# Altium PCB LimeSDR-PCIe_1v3.PcbDoc (part 3 of 10)
Units mm, origin at the board's own origin, x right, y up, seen from the top; angles counter-clockwise.
Board outline 136.85 x 68.9 mm, 12 copper layers (Top, L2, L3, L4, L5, L6, L7, L8, L9, L10, L11, Bottom), stack 1.638 mm thick; 831 components, 538 nets, 3821 pads, 1805 vias.
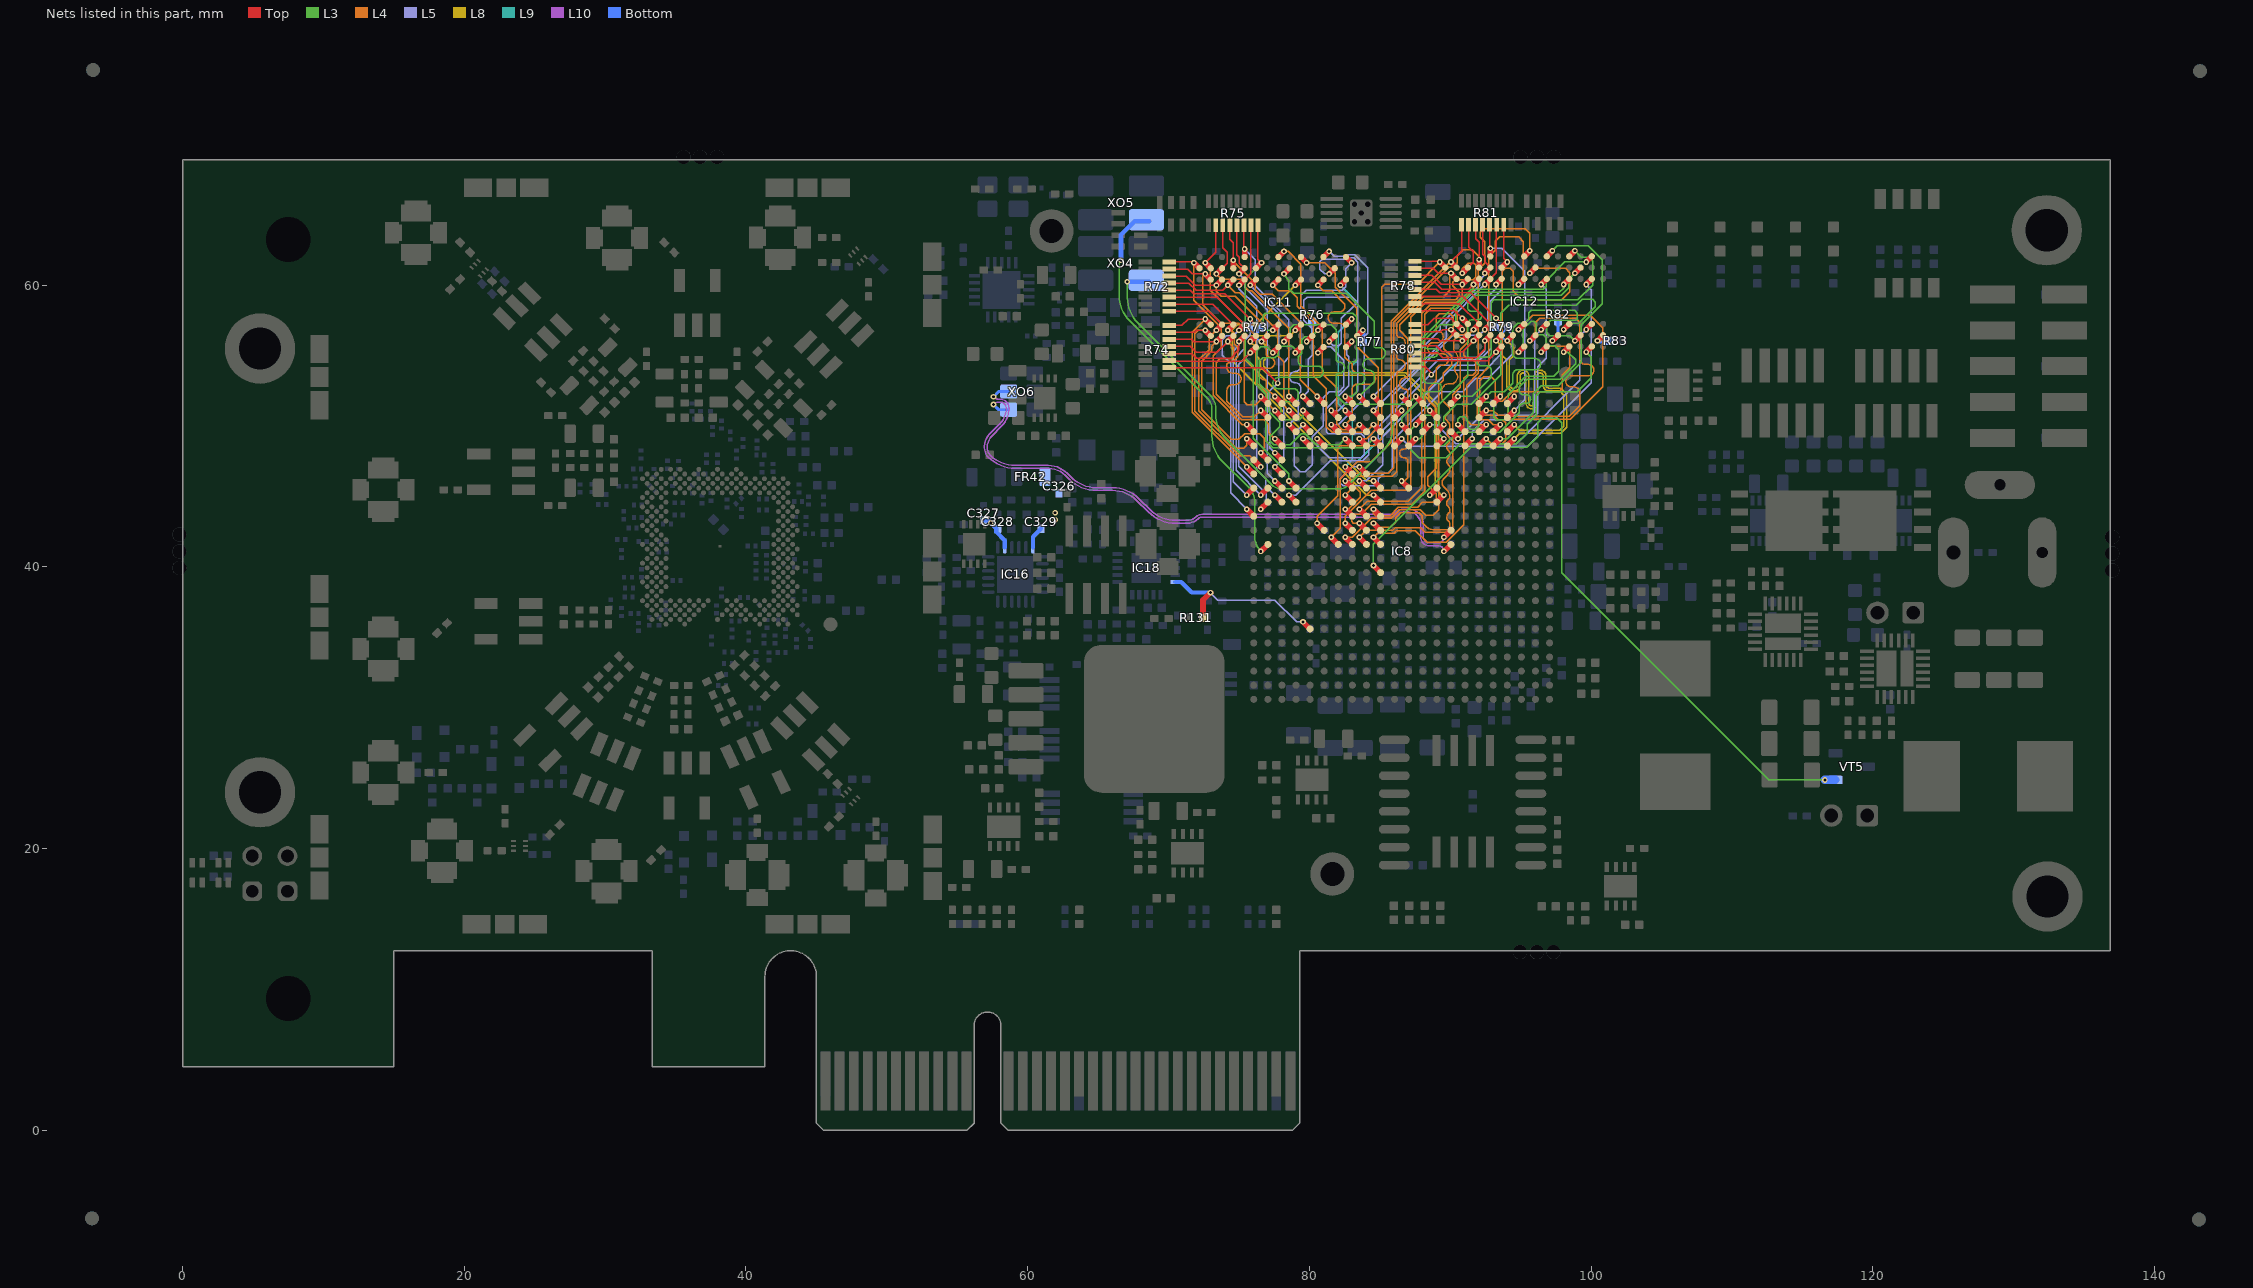
[diagram p13: the nets of this part, all layers, seen from the top]

## Footprints (in the part's own frame and the unit in brackets; to place one, negate y for a bottom-side part, rotate by r counter-clockwise, add the part's x,y. Pads: shape width x height; smd on the part's side, far side on the other; paste and mask are expansions set on the pad) (continued)
Si5351C_20QFN [mm] "QFN, 20-Leads, Body 4,00x4,00mm, Pitch 0,50mm, Thermal Pad 2,70x2,70mm, IPC Medium Density"
  rect 0.8x0.25 smd mask+0.05: 1(-1.925,1) 2(-1.925,0.5) 3(-1.925,0) 4(-1.925,-0.5) 5(-1.925,-1) 11(1.925,-1) 12(1.925,-0.5) 13(1.925,0) 14(1.925,0.5) 15(1.925,1)
  rect 0.25x0.8 smd mask+0.05: 6(-1,-1.925) 7(-0.5,-1.925) 8(0,-1.925) 9(0.5,-1.925) 10(1,-1.925) 16(1,1.925) 17(0.5,1.925) 18(0,1.925) 19(-0.5,1.925) 20(-1,1.925)
  rect 2.7x2.7 smd mask+0.05: 21(0,0)
  silkscreen extent -2.92,-2.15 2.15,2.15, body extent -2.02,-2.02 2.02,2.02, height 0.8
SKY13323-378LF [mm] "SKY13323-378LF RF switch"
  rect 0.35x0.15 smd mask+0.05: 1(-0.425,0.35) 2(-0.425,0) 3(-0.425,-0.35) 4(0.425,-0.35) 5(0.425,0) 6(0.425,0.35)
  Top region: -0.4,0.075 -0.175,0.075 -0.075,0.175 -0.075,0.6 0.075,0.6 0.075,0 -0.4,0
  Top region: -0.4,-0.075 -0.175,-0.075 -0.075,-0.175 -0.075,-0.6 0.075,-0.6 0.075,0 -0.4,0
  silkscreen extent -0.65,-0.78 0.3,0.77, body extent -0.5,-0.5 0.5,0.5, height 0.51
SOIC16_WIDE [mm] "SOIC, 1.27mm pitch, 16 pin"
  round 1 on Mech15: 0(0,0)
  oval 2.2x0.6 smd: 1(-4.85,4.445) 2(-4.85,3.175) 3(-4.85,1.905) 4(-4.85,0.635) 5(-4.85,-0.635) 6(-4.85,-1.905) 7(-4.85,-3.175) 8(-4.85,-4.445) 9(4.85,-4.445) 10(4.85,-3.175) 11(4.85,-1.905) 12(4.85,-0.635) 13(4.85,0.635) 14(4.85,1.905) 15(4.85,3.175) 16(4.85,4.445)
  silkscreen extent -5.27,-5.03 3.4,5.42
SOT23-3 [mm] "SOT23, 3 pin"
  round 0.5 on Mech14: 0(0,0)
  rrect25% 1x0.6 smd: D(1.15,0) G(-1.15,0.95) S(-1.15,-0.95)
  silkscreen extent -1.25,-1.45 0.38,1.81, body extent -1.4,-1.45 1.4,1.45, height 1.29
SOT23-3_v2 [mm] "SOT23, 3 pin"
  round 0.5 on Mech14: 0(0,0)
  rrect25% 1x0.6 smd: 1(-1.15,0.95) 2(-1.15,-0.95) 3(1.15,0)
  silkscreen extent -1.25,-1.45 0.38,1.81, body extent -1.4,-1.45 1.4,1.45, height 1.29
SPX3819R2-L/TR [mm]
  rect 0.6x0.25 smd mask+0.05: 1(-1.4,0.75) 2(-1.4,0.25) 3(-1.4,-0.25) 4(-1.4,-0.75) 5(1.4,-0.75) 6(1.4,-0.25) 7(1.4,0.25) 8(1.4,0.75)
  rect 1.6x1.5 smd: 9(0,0)
  silkscreen extent -2.22,-1.1 1.9,1.1, body extent -1.51,-1 1.51,1, height 0.75
SW_4WAY_SMD_1P27 [mm] "DIP Switch; 8 Leads, 1.27 pitch"
  rect 0.8x1.4 smd: 1(-1.905,-3.15) 2(-0.635,-3.15) 3(0.635,-3.15) 4(1.905,-3.15) 5(1.905,3.15) 6(0.635,3.15) 7(-0.635,3.15) 8(-1.905,3.15)
  silkscreen extent -2.96,-1.9 2.92,1.9, body extent -3.15,-3.54 3.16,3.44, height 1.5
SWD_10_pin [mm]
  rect 0.75x2.4 smd: 1(-2.55,-1.95) 2(-2.55,1.95) 3(-1.275,-1.95) 4(-1.275,1.95) 5(0,-1.95) 6(0,1.95) 7(1.275,-1.95) 8(1.275,1.95) 9(2.55,-1.95) 10(2.55,1.95)
  silkscreen extent -3.2,-3.4 3.2,3.4, body extent -3.17,-2.75 3.17,2.75, height 6.37
TC1-1-13MA+_v2 [mm] "Balun"
  rect 0.76x1.65 smd: 1(-1.27,1.59) 2(0,1.59) 3(1.27,1.59) 4(1.27,-1.59) 6(-1.27,-1.59)
  silkscreen extent -2,-0.6 2,3.1, body extent -1.27,-1.61 1.28,1.61, height 2.8
TCM1-63AX+_v2 [mm] "Balun"
  rect 0.76x1.65 smd: 1(-1.27,1.59) 2(0,1.59) 3(1.27,1.59) 4(1.27,-1.59) 5(0,-1.59) 6(-1.27,-1.59)
  silkscreen extent -2,-0.6 2,3.1, body extent -1.27,-1.61 1.28,1.61, height 2.8
TO-263-5_v2 [mm] "D-PAK/TO-263-5; 5 Leads; Body 14.4 (inc. leads) x 10.4 mm (LxW max)"
  round 0.5 on Mech15: 0(0,0)
  rrect25% 2.5x1.1 smd: 1(-6.05,3.41) 2(-6.05,1.705) 3(-6.05,0) 4(-6.05,-1.705) 5(-6.05,-3.41)
  rrect25% 10x10.5 smd: 3(3.05,0)
  silkscreen extent -6.4,-5.2 -2.1,5.3, body extent -6.73,-5.08 7.29,5.08, height 4.56
TP-THT-MIDI [mm] "Thru-hole test point loop"
  round 3.1 hole 1.7 slot 1.9 at 90 deg: 1(0,0)
  silkscreen extent -1.9,-1.9 1.9,1.9, body extent -1.6,-1.6 1.6,1.59, height 8.09

## Part data
C1 C2 C3 C4 C5 C6 C7 C8 C9 C10 C11 C12 C13 C14 C15 C16 C17 C18 C19 C20 C21 C22 C23 C24 C25 C26 C27 C28 C29 C30 C31 C32 C33 C34 C35 C36 C37 C38 C39 C40 C41 C42 C43 C44 C45 C46 C47 C48 C49 C50 C51 C52 C53 C54 C55 C56 C57 C58 C59 C60 C61 C62 C63 C64 C65 C66 C67 C68 C69 C70 C71 C72 C73 C74 C75 C76 C77 C78 C79 C80 C81 C82 C83 C84 C85 C86 C87 C88 C89 C90 C91 C92 C93 C94 C95 C96 C97 C98 C99 C100 C124 C125 C130 C131 C136 C137 C142 C143 C148 C149 C154 C155 C160 C161 C166 C167 C271 C272 C296 C297 C301 C307 C308 C309 C310 C311 C312 C313 C314 C315 C316 C317 C318 C319 C320 C321 C322 C323 C324 C325 C326 C327 C328 C329 C330 C331 C332 C333 C334 C336 C337 C338 C339 C340 C341 C342 C343 C344 C345 C346 C347 C348 C349 C350 C351 C352 C355 C356 C360 C362 C364 C366 C367 C373 C374 C375 C376 C377 C378 C380 C381 C382 C387 C388 C389 C390 C391 C392 C393 C394 C397 C398 C400 C401 C402 C403 C404 C408 C409 C410 C411 C412 C415 C416 MN5 MN6 MN7 MN8 MN13 MN14 MN15 MN16 MN17 MN19 MN20 MN21 MN22 MN23 MN24 MN25 MN27 MN28 MN33 MN34 MN35 MN36 MN41 MN42 MN43 MN44 MN45 MN47 MN48 MN49 MN50 MN51 MN52 MN53 MN55 MN56: library part Cap_0402
C101 C102 C103 C104 C105 C106 C107 C108 C109 C110 C111 C112 C113 C114 C115 C116 C117 C118 C119 C123 C126 C129 C132 C135 C138 C141 C144 C147 C150 C153 C156 C159 C162 C165 C168 C169 C170 C171 C172 C173 C174 C175 C176 C177 C178 C179 C180 C181 C182 C183 C184 C185 C186 C187 C188 C189 C190 C191 C192 C193 C194 C195 C196 C197 C198 C199 C200 C201 C202 C203 C204 C205 C206 C207 C208 C209 C210 C211 C212 C213 C214 C215 C216 C217 C218 C219 C220 C221 C222 C223 C224 C225 C226 C227 C228 C229 C230 C231 C232 C233 C234 C235 C236 C237 C238 C239 C240 C241 C242 C243 C244 C245 C246 C247 C248 C249 C250 C251 C252 C253 C254 C256 C257 C258 C259 C260 C261 C262 C263 C265 C266 C267 C268 C270 C273 C274 C276 C277 C278 C279 C281 C282 C283 C284 C286 C287 C288 C289 C290 C291 C292 C293 C295 C298 C299 C300 C302 C303 C304 C305 C306 C335 C353 C354 C357 C358 C359 C361 C363 C365 C368 C369 C370 C371 C372 C379 C386 C395 C396 C399 C413 C414 C417 C418 C419 C420 C421: library part Cap_0603
C120 C121 C122 C127 C128 C133 C134 C139 C140 C145 C146 C151 C152 C157 C158 C163 C164 C275 C383 C384 C385 C405 C406 C407: library part Cap_1206
C255 C264 C269 C280 C285 C294: library part 4X_cap_array_1206
FR1 FR2 FR3 FR4 FR5 FR6 FR7 FR8 FR9 FR10 FR11 FR12 FR13 FR14 FR15 FR16 FR17 FR18 FR19 FR20 FR21 FR22 FR23 FR24 FR25 FR26 FR27 FR28 FR29 FR30 FR31 FR32 FR33 FR34 FR35 FR36 FR37 FR38 FR39 FR40 FR41 FR42 FR43 FR44 FR45 FR46 FR47 FR48 FR49 FR50 FR51 FR52 FR53 FR54 FR55 FR56: library part Ferrite
IC1: library part LMS7002Mr3, "Schematic symbol revision 3. Default footprint - 0.31mm pad"
IC2 IC15: library part 24FC64F
IC4 IC5 IC6 IC7: "SKY13323-378LF: 0.1-3.0 GHz GaAs SPDT Switch"
IC9: library part W25Q32FV
IC10: library part S25FL032P
IC17: "Single 8-Bit nanoDAC with SPI Interface in LFCSP and SC70, 2.7 to 5.5 V, <100 uA, -40 to +125 degC, KS-6, Pb-Free, Reel"
IC20 IC24 IC26 IC28 IC29 IC31: library part AP7361
IC32: library part SPX3819R2-L/TR
J1 J2 J3 J4 J5 J6 J7 J8 J9 J10: library part RF_IF_connector, "CONN UMC RCPT STR 50 OHM SMD"
J11: library part JTAG_connector_10pin
J12 J13: library part "Header 5X2_SWD", "Header, 5-Pin, Dual row"
J14 J18: library part Jumper
J15 J16: library part RF_IF_connector
J17: "Power Connector, THT, 2.1mm ID, 5.5mm OD"
L1 L2 MN1 MN2 MN3 MN4 MN9 MN10 MN11 MN12 MN18 MN26 MN29 MN30 MN31 MN32 MN37 MN38 MN39 MN40 MN46 MN54: library part Inductor_0603
LED1 LED4: library part LED_green_red_SMD
LEDS1: library part LEDx2_STANDOFF
MECH1 MECH2 MECH3 MECH4 MECH5 MECH6 MECH7 MECH8 MECH9 MECH10: library part RFI_SHIELD_CLIP
MECH11 MECH12 MECH13 MECH14: library part "STANDOFF_M-F_THREADED_M3x8x10mm_HEX_5mm dia", "STANDOFF M/F MET 5MM HEX 10MM L"
R1 R2 R3 R4 R5 R6 R7 R8 R9 R10 R11 R12 R13 R14 R15 R16 R17 R18 R19 R20 R21 R22 R23 R24 R25 R26 R27 R28 R29 R30 R31 R32 R33 R34 R35 R36 R37 R38 R39 R40 R41 R42 R43 R44 R45 R46 R47 R48 R49 R50 R51 R52 R53 R54 R55 R56 R57 R58 R59 R60 R61 R62 R63 R64 R65 R66 R67 R68 R69 R70 R71 R73 R76 R77 R79 R82 R83 R84 R85 R86 R87 R88 R89 R90 R91 R92 R93 R94 R95 R96 R97 R98 R99 R100 R101 R102 R103 R104 R105 R106 R107 R108 R109 R110 R111 R112 R113 R114 R115 R116 R117 R118 R119 R120 R121 R122 R123 R124 R125 R126 R127 R128 R129 R130 R131 R132 R133 R134 R135 R136 R137 R138 R139 R140 R141 R142 R143 R144 R145 R146 R147 R148 R149 R150 R151 R152 R153 R154 R155 R156 R157 R158 R159 R160 R161 R162 R163 R164 R165 R166 R167 R168 R169 R170 R171 R172 R173 R174 R175 R176 R177 R178 R179 RA1 RA2 RA3 RA4 RA5 RA6: library part Res_0402
R72 R74 R75 R78 R80 R81: library part 8X_resistor_array_0402
SW1: library part SW_SM_4bit
T1 T3 T5 T6 T8 T10: library part Balun
T2 T4 T7 T9: library part Balun_v2
TP1 TP2: "Test Point PCB mount Miniature White"
VT1 VT2 VT3 VT4: library part BF1105R,215
VT6 VT7: library part BSC093N04LS_G
XO1: library part RPT7050A
XO2: library part TXCO
XO3: library part Rakon_RTX5032A
XO4 XO5: library part CRYSTAL, "Oscillator Crystal"
XO6: library part CRYSTAL_SG3225, "Oscillator Crystal"
XT1: library part CRYSTAL_19M2, "Oscillator Crystal 25 MHz"

## Free pads (board coordinates)
  round 1 hole 1: 2(-0.225,42.3) 2(37.95,69.1) 2(94.95,12.65) 2(97.35,69.1) 2(137,39.75) 3(-0.225,41.1) 3(36.75,69.1) 3(96.15,12.65) 3(96.15,69.1) 3(137,40.95) 4(-0.225,39.925) 4(35.575,69.1) 4(94.975,69.1) 4(97.325,12.65) 4(137,42.125)
  round 2.88 hole 3.18 unplated: MH1(7.5,9.35) MH2(7.5,63.25)

## Via types
v1: diameter 0.4, hole 0.2, Top to Bottom, tented both sides, 1697 vias
v2: diameter 0.35, hole 0.2, Top to Bottom, tented top, 87 vias
v3: diameter 0.5, hole 0.2, Top to Bottom, tented both sides, 20 vias
v4: diameter 0.4, hole 0.2, Top to Bottom, tented top, 1 vias

## Nets (pads, with @x,y where several pads share a name; then routed paths per layer and width w, separated by ;. In a path a pad name is that pad's centre, name@x,y a point inside that pad or via, vN(x,y) a via of type N, cw(c..) or ccw(c..) an arc to the next point about the centre after c; other vN are vias at no path point)
+1.8V_DIG_LMK: C326.2 C327.2 C328.2 C329.2 FR42.2 IC16.2 IC16.6 | length 4.3
  Bottom w0.3: C327.2@56.85,43.312 C327.2@56.875,43.312 57.175,43.312 57.775,42.712 57.775,42.487 58.375,41.887 IC16.2@58.375,41.387 ; IC16.6@60.375,41.387 60.375,42.137 C329.2@60.95,42.712
  other v1: 57.375,43.125 61.95,43.35 61.95,43.85
ADF_MUXOUT: IC8.F18 IC18.15 R131.1 | length 13
  Top w0.4: R131.1@72.45,36.375 72.45,37.65 v1(72.975,38.175) ; v1(79.55,36.1) IC8.F18@80.05,35.6
  L5 w0.1: v1(72.975,38.175) 73.5,37.65 77.55,37.65 79.1,36.1 v1(79.55,36.1)
  Bottom w0.3: IC18.15@70.475,38.925 70.9,38.925 71.65,38.175 v1(72.975,38.175)
CLK50_FPGA: IC8.M21 XO5.3 | length 29.4
  Top w0.4: v1(76.55,41.1) IC8.M21@77.05,41.6
  L3 w0.1: v1(66.625,61.775) ccw(c66.927,61.473) 66.5,61.473 66.5,59.277 ccw(c69.04,59.277) 67.244,57.481 72.808,51.917 cw(c72.165,51.274) 73.074,51.274 73.074,49.303 ccw(c75.614,49.303) 73.818,47.507 75.648,45.677 cw(c74.495,44.525) 76.125,44.525 76.125,42.126 ccw(c77.576,42.126) v1(76.55,41.1)
  Bottom w0.325: v1(66.625,61.775) 66.625,63.575 67.598,64.548 XO5.3@68.626,64.548
CLK100_FPGA: IC8.AA12 XO4.3 | length 32.9
  Top w0.4: IC8.AA12@86.05,50.6 v1(86.55,51.1)
  L3 w0.1: v1(67.075,60.25) 67.075,59.122 ccw(c69.615,59.122) 67.819,57.326 72.929,52.216 cw(c71.914,51.2) 73.35,51.2 73.35,50.857 ccw(c75.89,50.857) 74.094,49.061 77.326,45.829 ccw(c78,46.504) 78,45.55 82.191,45.55 ccw(c82.191,46.284) 82.71,45.765 ; 82.71,45.765 85.338,48.393 ccw(c83.981,49.75) 85.9,49.75 cw(c87.59,49.75) 86.395,50.945 v1(86.55,51.1)
  Bottom w0.325: v1(67.075,60.25) XO4.3@68.625,60.25
CLK125_FPGA_N: IC8.N8 XO6.5 | length 43.2
  Top w0.4: v1(89.55,42.1) IC8.N8@90.05,42.6
  L10 w0.1: v1(57.575,52.075) 57.618,52.032 ccw(c57.925,52.34) 57.925,51.905 58.045,51.905 cw(c58.045,51.275) 58.675,51.275 cw(c56.845,51.275) 58.139,49.981 57.478,49.32 ccw(c58.33,48.468) 57.125,48.468 ccw(c57.893,48.468) 57.35,47.925 ccw(c59.1,49.675) 59.1,47.2 61.472,47.2 cw(c61.472,45.322) 62.8,46.65 63.081,46.369 ccw(c64.877,48.165) 64.877,45.625 66.029,45.625 cw(c66.029,42.979) 67.9,44.85 68.706,44.044 ccw(c70.502,45.84) 70.502,43.3 71.315,43.3 ccw(c71.315,44.21) 71.959,43.566 cw(c72.341,43.184) 72.341,43.725 85.753,43.725 ccw(c85.753,44.122) 86.034,43.841 cw(c86.658,43.217) 86.658,44.1 87.025,44.1 cw(c87.025,43.025) 88.1,43.025 88.1,42.1 ccw(c88.5,42.1) 88.5,41.7 89.15,41.7 ccw(c89.15,42.1) v1(89.55,42.1)
  Bottom w0.2: v1(57.575,52.075) 57.95,52.45 XO6.5@58.65,52.45
CLK125_FPGA_P: IC8.M8 XO6.4 | length 43.2
  Top w0.4: v1(89.55,41.1) IC8.M8@90.05,41.6
  L10 w0.1: v1(57.575,51.535) 57.618,51.578 cw(c57.925,51.27) 57.925,51.705 58.045,51.705 cw(c58.045,51.275) 58.475,51.275 cw(c56.845,51.275) 57.998,50.123 57.278,49.403 ccw(c58.13,48.551) 56.925,48.551 56.925,48.468 ccw(c57.893,48.468) 57.209,47.784 ccw(c59.1,49.675) 59.1,47 61.472,47 cw(c61.472,45.322) 62.659,46.509 62.94,46.228 ccw(c64.877,48.165) 64.877,45.425 66.029,45.425 cw(c66.029,42.979) 67.759,44.709 68.565,43.903 ccw(c70.502,45.84) 70.502,43.1 71.315,43.1 ccw(c71.315,44.21) 72.1,43.425 cw(c72.341,43.184) 72.341,43.525 85.753,43.525 ccw(c85.753,44.122) 86.175,43.7 cw(c86.658,43.217) 86.658,43.9 87.025,43.9 cw(c87.025,43.025) 87.9,43.025 87.9,42.1 ccw(c88.5,42.1) 88.5,41.5 89.15,41.5 cw(c89.15,41.1) v1(89.55,41.1)
  Bottom w0.2: v1(57.575,51.535) 57.95,51.16 XO6.4@58.65,51.16
DDR2_1_A0: IC8.W20 IC11.M8 R74.5 | length 16.7
  Top w0.1: R74.5@70.05,55.65 71.55,55.65 71.975,55.225 73.425,55.225 v1(74.2,56)
  Top w0.4: v1(74.2,56) IC11.M8@74.6,56.4 ; v1(77.55,49.1) IC8.W20@78.05,48.6
  L4 w0.1: v1(74.2,56) 74.2,55.975 74.625,55.55 74.625,54.925 74.475,54.775 73.65,54.775 73.375,54.5 73.375,52.258 75.183,50.45 76.8,50.45 77.125,50.125 77.125,49.525 v1(77.55,49.1)
DDR2_1_A1: IC8.AA19 IC11.M3 R72.5 | length 16.8
  Top w0.1: R72.5@70.05,60.15 71.45,60.15 71.95,59.65 73.85,59.65 v1(74.2,60)
  Top w0.4: v1(74.2,60) IC11.M3@74.6,60.4 ; v1(78.55,51.1) IC8.AA19@79.05,50.6
  L4 w0.1: v1(74.2,60) 74.75,59.45 75.055,59.45 77.355,57.15 77.545,57.15 77.75,56.945 77.75,55 78.175,54.575 78.175,51.475 v1(78.55,51.1)
DDR2_1_A2: IC8.AA21 IC11.M7 R72.2 | length 16.7
  Top w0.1: R72.2@70.05,58.65 73.15,58.65 IC11.M7@74.6,57.2
  Top w0.4: v1(74.2,56.8) IC11.M7@74.6,57.2 ; v1(76.55,51.1) IC8.AA21@77.05,50.6
  L4 w0.1: v1(74.2,56.8) 74.45,56.8 74.65,56.6 74.65,55.855 74.925,55.58 74.925,54.925 74.908,54.925 74.558,54.575 74.35,54.575 74.15,54.375 74.15,54.15 ccw(c74.55,54.15) 74.55,53.75 74.75,53.75 cw(c74.75,53.35) 75.15,53.35 cw(c74.75,53.35) 74.75,52.95 74.55,52.95 ccw(c74.55,52.55) 74.15,52.55 74.15,52.5 74.15,51.766 75.266,50.65 76.1,50.65 v1(76.55,51.1)
DDR2_1_A3: IC8.AB19 IC11.N2 R75.3 | length 16.4
  Top w0.1: IC11.N2@73.8,61.2 74.175,61.575 74.175,62.325 73.85,62.65 R75.3@73.85,64.25
  Top w0.4: v1(73.4,60.8) IC11.N2@73.8,61.2 ; v1(78.55,52.1) IC8.AB19@79.05,51.6
  L4 w0.1: v1(73.4,60.8) 73.775,60.425 75.175,60.425 75.45,60.15 75.45,59.855 75.705,59.6 75.895,59.6 78.55,56.945 v1(78.55,52.1)
DDR2_1_A4: IC8.V21 IC11.N8 R74.6 | length 16.7
  Top w0.1: R74.6@70.05,56.15 71.65,56.15 71.8,56 v1(73.4,56)
  Top w0.4: v1(73.4,56) IC11.N8@73.8,56.4 ; v1(76.55,48.1) IC8.V21@77.05,47.6
  L4 w0.1: v1(73.4,56) 73.075,55.675 73.075,55.342 72.35,54.617 72.35,51.158 74.458,49.05 75,49.05 75.4,49.45 76.475,49.45 76.8,49.125 76.8,48.35 v1(76.55,48.1)
DDR2_1_A5: IC8.AB20 IC11.N3 R72.6 | length 16.5
  Top w0.1: R72.6@70.05,60.65 71.25,60.65 71.9,60 v1(73.4,60)
  Top w0.4: v1(73.4,60) IC11.N3@73.8,60.4 ; v1(77.55,52.1) IC8.AB20@78.05,51.6
  L4 w0.1: v1(73.4,60) 73.4,59.575 73.75,59.225 74.725,59.225 76.95,57 76.95,55.475 76.95,55.081 ccw(c77.131,55.081) 77.131,54.9 cw(c77.131,54.5) 77.531,54.5 cw(c77.131,54.5) 77.131,54.1 76.95,54.1 76.8,54.1 ccw(c76.8,53.7) 76.4,53.7 ccw(c76.8,53.7) 76.8,53.3 cw(c76.8,53.15) 76.95,53.15 76.95,52.9 76.95,52.7 v1(77.55,52.1)
DDR2_1_A6: IC8.W22 IC11.N7 R72.1 | length 16.7
  Top w0.1: R72.1@70.05,58.15 72.85,58.15 IC11.N7@73.8,57.2
  Top w0.4: v1(73.4,56.8) IC11.N7@73.8,57.2 ; v1(75.55,49.1) IC8.W22@76.05,48.6
  L4 w0.1: v1(73.4,56.8) 72.875,56.275 72.875,55.425 72.15,54.7 72.15,51.075 74.8,48.425 75.325,48.425 75.55,48.65 v1(75.55,49.1)
DDR2_1_A7: IC8.AA20 IC11.P2 R75.2 | length 16.8
  Top w0.1: v1(72.6,61.6) 73.35,62.35 R75.2@73.35,64.25
  Top w0.4: v1(72.6,61.6) IC11.P2@73,61.2 ; v1(77.55,51.1) IC8.AA20@78.05,50.6
  L4 w0.1: v1(72.6,61.6) 72.95,61.25 72.95,59.65 76.2,56.4 76.2,53.1 76.975,52.325 76.975,51.675 v1(77.55,51.1)
DDR2_1_A8: IC8.V22 IC11.P8 R74.7 | length 16.5
  Top w0.1: R74.7@70.05,56.65 71.85,56.65 72,56.8 v1(72.6,56.8)
  Top w0.4: v1(72.6,56.8) IC11.P8@73,56.4 ; IC8.V22@76.05,47.6 v1(76.55,47.1)
  L4 w0.1: v1(72.6,56.8) 72.125,56.8 71.875,56.55 71.875,51.067 75.067,47.875 75.775,47.875 v1(76.55,47.1)
DDR2_1_A9: IC8.AB21 IC11.P3 R72.7 | length 16.8
  Top w0.1: R72.7@70.05,61.15 71.35,61.15 71.7,60.8 v1(72.6,60.8)
  Top w0.4: v1(72.6,60.8) IC11.P3@73,60.4 ; v1(76.55,52.1) IC8.AB21@77.05,51.6
  L4 w0.1: v1(72.6,60.8) 72.425,60.625 72.425,58.6 73.725,57.3 74.995,57.3 75.367,56.928 75.367,51.708 75.575,51.5 76.2,51.5 76.55,51.85 v1(76.55,52.1)
DDR2_1_A10: IC8.AB17 IC11.M2 R75.4 | length 16.5
  Top w0.1: R75.4@74.35,64.25 74.35,63.25 74.6,63 v1(74.6,61.766)
  Top w0.4: IC11.M2@74.6,61.2 v1(74.6,61.766) ; v1(80.55,52.1) IC8.AB17@81.05,51.6
  L4 w0.1: v1(74.6,61.766) 74.6,61.695 76.15,60.145 76.15,59.675 76.475,59.35 77.375,59.35 79.35,57.375 79.35,53.3 v1(80.55,52.1)
DDR2_1_A11: IC8.U22 IC11.P7 R74.8 | length 16.5
  Top w0.1: R74.8@70.05,57.15 70.95,57.15 71.4,57.6 v1(72.6,57.6)
  Top w0.4: v1(72.6,57.6) IC11.P7@73,57.2 ; v1(75.55,47.1) IC8.U22@76.05,46.6
  L4 w0.1: v1(72.6,57.6) 71.675,56.675 71.675,50.975 v1(75.55,47.1)
DDR2_1_A12: IC8.Y22 IC11.R2 R72.8 | length 16.8
  Top w0.1: R72.8@70.05,61.65 71.75,61.65 v1(71.8,61.6)
  Top w0.4: v1(71.8,61.6) IC11.R2@72.2,61.2 ; v1(75.55,50.1) IC8.Y22@76.05,49.6
  L4 w0.1: v1(71.8,61.6) 71.8,58.942 73.642,57.1 73.65,57.1 73.75,57 73.75,55.575 73.175,55 73.175,52.175 75.25,50.1 v1(75.55,50.1)
DDR2_1_BA0: IC8.T20 IC11.L2 R75.5 | length 20.3
  Top w0.1: R75.5@74.85,64.25 74.85,62.15 75.025,61.975 75.025,61.575 IC11.L2@75.4,61.2
  Top w0.4: v1(75,60.8) IC11.L2@75.4,61.2 ; v1(77.55,46.1) IC8.T20@78.05,45.6
  L5 w0.1: v1(75,60.8) 75.4,60.4 75.4,59.85 77,58.25 77,46.65 v1(77.55,46.1)
DDR2_1_BA1: IC8.R20 IC11.L3 R75.7 | length 21.3
  Top w0.1: IC11.L3@75.4,60.4 75.825,60.825 75.825,64.25 R75.7@75.85,64.25
  Top w0.4: v1(75,60) IC11.L3@75.4,60.4 ; v1(77.55,45.1) IC8.R20@78.05,44.6
  L5 w0.1: v1(75,60) 75,59.75 76.25,58.5 76.25,46.905 76.9,46.255 76.9,45.75 v1(77.55,45.1)
DDR2_1_BA2: IC8.U20 IC11.L1 R75.6 | length 20.2
  Top w0.1: R75.6@75.35,64.25 75.35,62.616 v1(75.4,62.566)
  Top w0.4: IC11.L1@75.4,62 v1(75.4,62.566) ; v1(77.55,47.1) IC8.U20@78.05,46.6
  L5 w0.1: v1(75.4,62.566) 76.15,61.816 76.15,59.955 78.55,57.555 78.55,54.875 78.175,54.5 78.175,47.725 v1(77.55,47.1)
DDR2_1_CASN: IC8.P22 IC11.L7 R72.3 | length 21.6
  Top w0.1: R72.3@70.05,59.15 73.45,59.15 IC11.L7@75.4,57.2
  Top w0.4: v1(75,56.8) IC11.L7@75.4,57.2 ; v1(75.55,44.1) IC8.P22@76.05,43.6
  L5 w0.1: v1(75,56.8) 74.6,56.4 74.105,56.4 73.825,56.12 73.825,55.025 74.4,54.45 74.4,45.25 v1(75.55,44.1)
DDR2_1_CK_N: IC8.T9 IC11.K8 R73.2 | length 24.9
  Top w0.4: v1(75.8,56) IC11.K8@76.2,56.4 ; v1(88.55,45.1) IC8.T9@89.05,45.6
  L8 w0.1: v1(75.8,56) 76.25,55.55 76.25,54.95 76.55,54.65 76.55,54.167 77.117,53.6 86.75,53.6 88.95,51.4 88.95,45.325 88.725,45.1 v1(88.55,45.1)
  Bottom w0.1: R73.2@75.7,57 76.1,56.6 76.1,56.2 75.9,56 v1(75.8,56)
DDR2_1_CK_P: IC8.R9 IC11.J8 R73.1 | length 24.9
  Top w0.4: v1(76.6,56) IC11.J8@77,56.4 ; IC8.R9@89.05,44.6 v1(89.55,45.1)
  L8 w0.1: v1(76.6,56) 77.05,55.55 77.05,54.95 76.75,54.65 76.75,54.25 77.2,53.8 86.833,53.8 89.15,51.483 89.15,45.325 89.375,45.1 v1(89.55,45.1)
  Bottom w0.1: v1(76.6,56) 76.5,56 76.3,56.2 76.3,56.6 R73.1@76.7,57
DDR2_1_CKE: IC8.T19 IC11.K2 R75.8 | length 21.3
  Top w0.1: R75.8@76.35,64.25 76.35,61.85 v1(76.6,61.6)
  Top w0.4: IC11.K2@76.2,61.2 v1(76.6,61.6) ; v1(78.55,46.1) IC8.T19@79.05,45.6
  L3 w0.1: v1(76.6,61.6) 75.45,60.45 75.45,54.825 76,54.275 76,49.15 78.55,46.6 v1(78.55,46.1)
DDR2_1_CSN: IC8.T22 IC11.L8 R74.4 | length 18.7
  Top w0.1: R74.4@70.05,55.15 71.65,55.15 72,54.8 74.4,54.8 75,55.4 v1(75,56)
  Top w0.4: v1(75,56) IC11.L8@75.4,56.4 ; v1(75.55,45.1) IC8.T22@76.05,45.6
  L5 w0.1: v1(75,56) 75,55.725 74.6,55.325 74.6,46.05 v1(75.55,45.1)
DDR2_1_DM0: IC8.R13 IC11.F3 | length 23.2
  Top w0.4: v1(79,60) IC11.F3@79.4,60.4 ; v1(84.55,45.1) IC8.R13@85.05,44.6
  L8 w0.1: v1(79,60) 76.2,57.2 74.875,57.2 74.525,56.85 74.525,54.63 84.055,45.1 v1(84.55,45.1)
DDR2_1_DM1: IC8.U15 IC11.B3 | length 15
  Top w0.4: v1(82.2,60) IC11.B3@82.6,60.4 ; v1(82.55,47.1) IC8.U15@83.05,46.6
  L9 w0.1: v1(82.2,60) 83.4,58.8 83.4,54.65 83.05,54.3 83.05,47.6 v1(82.55,47.1)
DDR2_1_DQ0: IC8.AB10 IC11.G8 | length 17.4
  Top w0.4: v1(78.2,56) IC11.G8@78.6,56.4 ; v1(87.55,52.1) IC8.AB10@88.05,51.6
  L3 w0.1: v1(78.2,56) 78.65,56.45 78.65,56.945 78.905,57.2 81.534,57.2 81.9,56.834 81.9,54.95 81.9,54.75 ccw(c82.1,54.75) 82.1,54.55 cw(c82.1,54.15) 82.5,54.15 cw(c82.1,54.15) 82.1,53.75 ccw(c82.1,53.55) 81.9,53.55 81.9,53.325 81.9,52.2 82.55,51.55 87,51.55 v1(87.55,52.1)
DDR2_1_DQ1: IC8.AB14 IC11.G2 | length 17.5
  Top w0.4: v1(78.2,60.8) IC11.G2@78.6,61.2 ; v1(83.55,52.1) IC8.AB14@84.05,51.6
  L3 w0.1: v1(78.2,60.8) 78.2,60.7 78.55,60.35 78.55,59.75 78.875,59.425 82.6,59.425 84.6,57.425 84.6,55.675 ccw(c84.7,55.675) 84.7,55.575 85,55.575 cw(c85,55.175) 85.4,55.175 cw(c85,55.175) 85,54.775 84.6,54.775 84.2,54.775 ccw(c84.2,54.375) 83.8,54.375 ccw(c84.2,54.375) 84.2,53.975 cw(c84.2,53.575) 84.6,53.575 84.6,53.15 v1(83.55,52.1)